# KiCad board motordecoder2-k3066v3-p.kicad_pcb (continued)
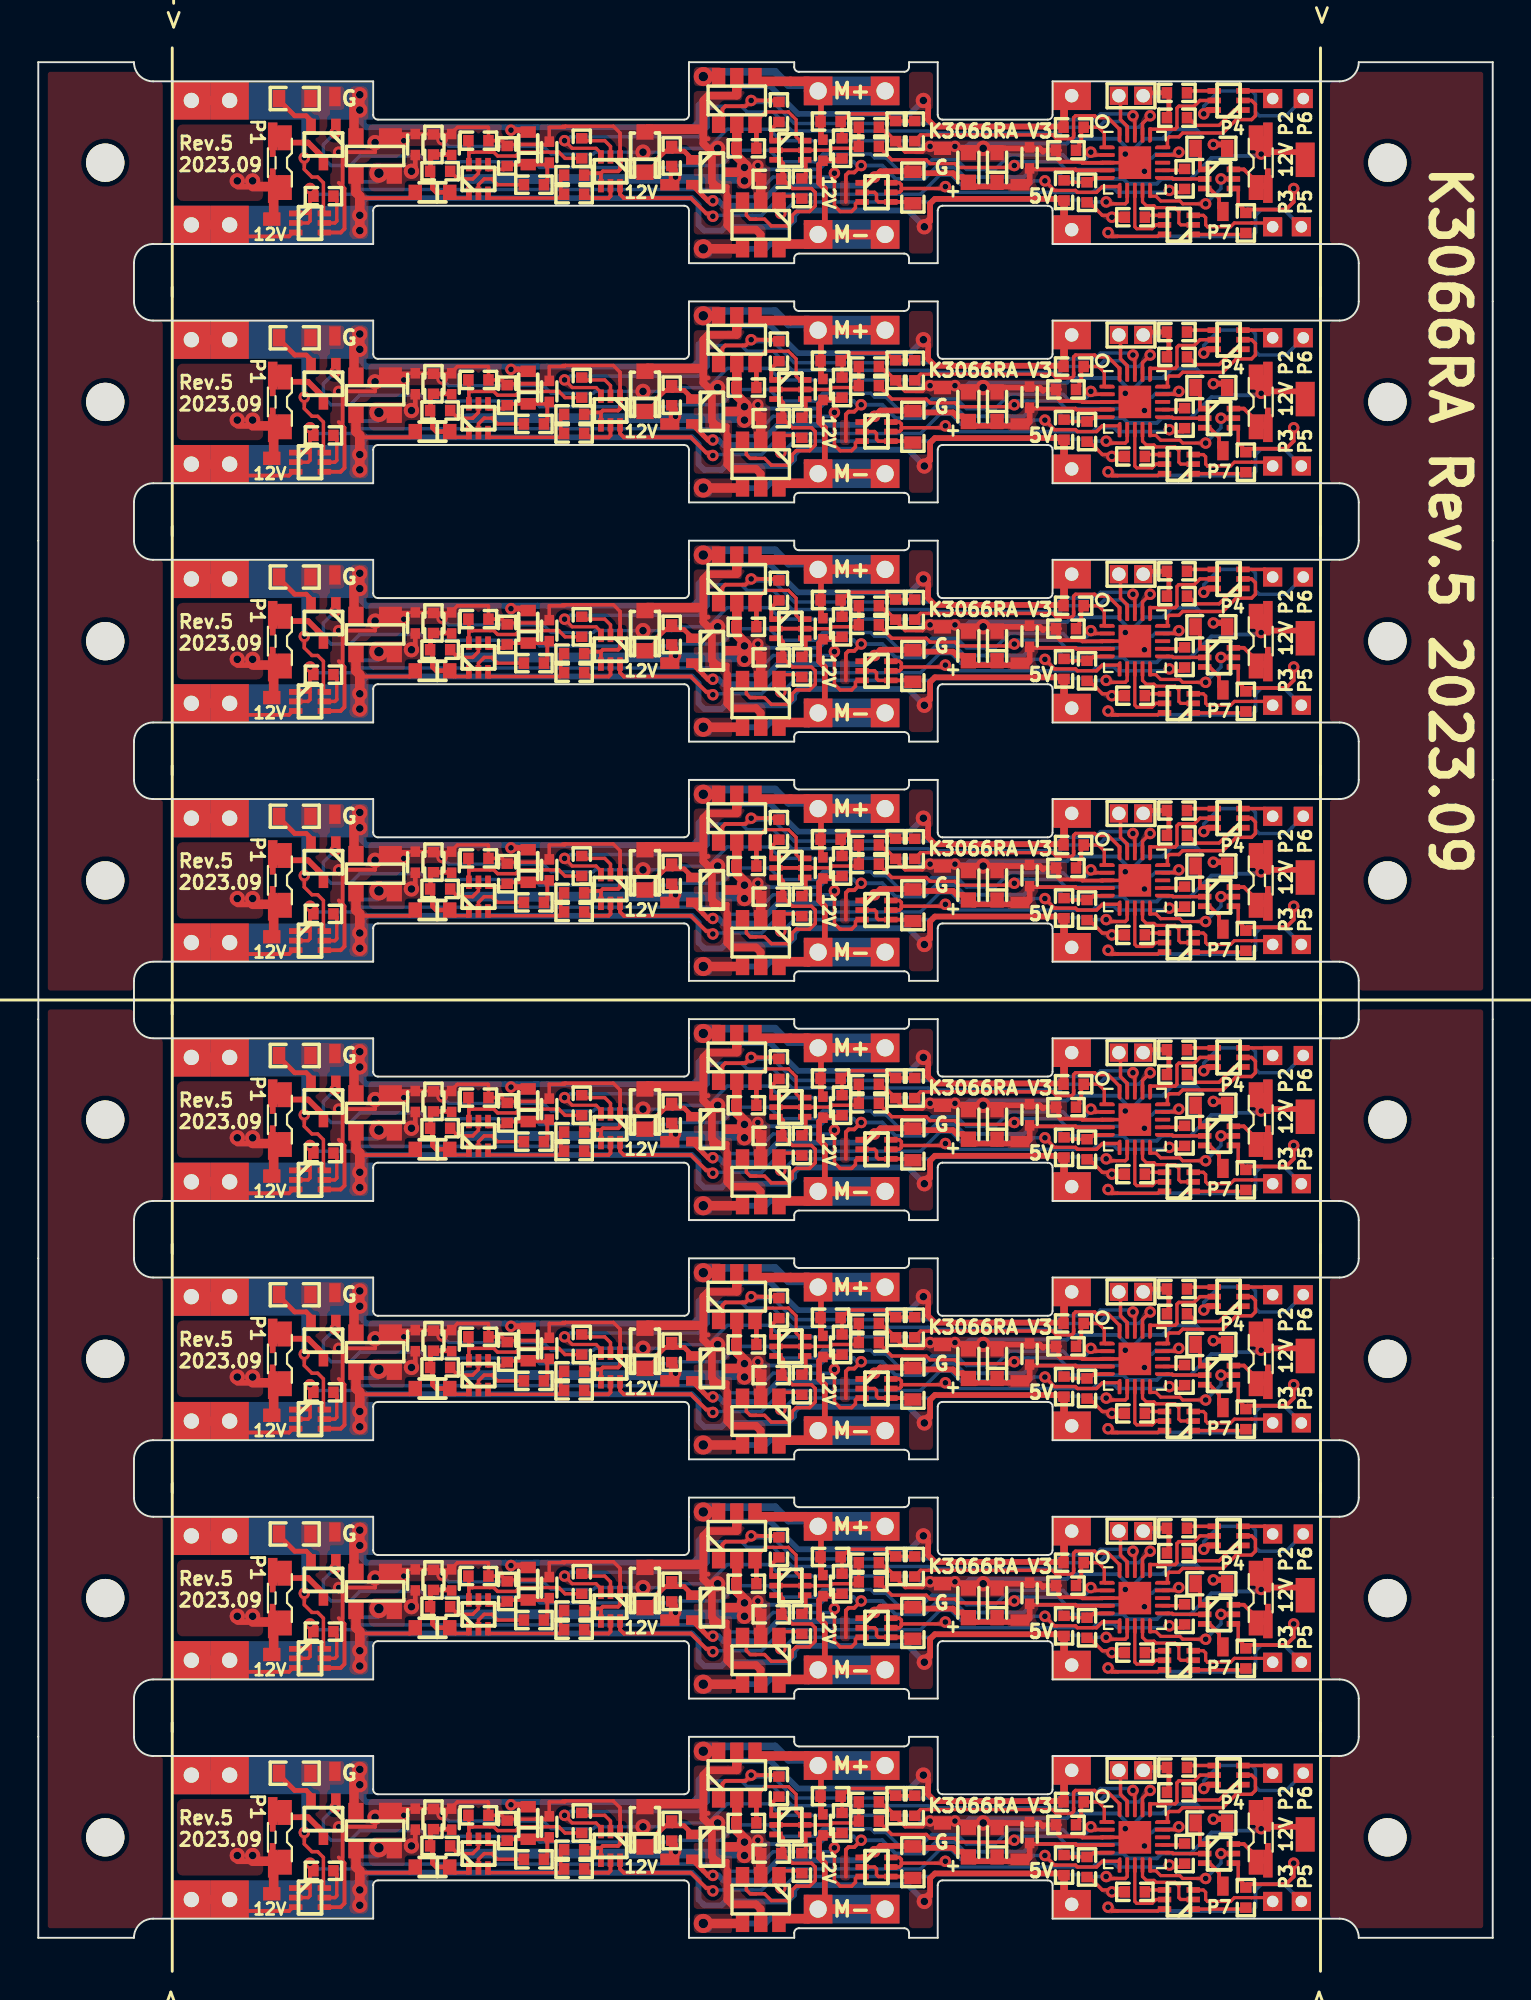
[diagram p0: board, top side]
## Routing (per net, layer and track width the routed paths; a pad name or vN(x,y) marks a point on that pad's centre or on a via; arc(x,y) is an arc through that point) (continued)
  Bottom w0.18: 47.8,53.7 47.9,53.7 ; 47.9,53.7 47.7,53.7 v3(47.4,54) ; 47.9,53.7 55.1,53.7 55.3,53.9 56.2,53.9 56.4,53.7 59,53.7 ; v3(47.4,16.5) 47.7,16.2 47.9,16.2 ; 59,53.9 58.8,53.7 ; 47.9,16.2 47.8,16.2 ; 47.9,16.2 55.1,16.2 55.3,16.4 56.2,16.4 56.4,16.2 59,16.2 ; 59,78.7 56.4,78.7 56.2,78.9 55.3,78.9 55.1,78.7 47.9,78.7 ; 47.9,66.2 47.7,66.2 v3(47.4,66.5) ; 47.9,66.2 55.1,66.2 55.3,66.4 56.2,66.4 56.4,66.2 59,66.2 ; 47.9,66.2 47.8,66.2 ; 59,41.4 58.8,41.2 ; 47.9,41.2 55.1,41.2 55.3,41.4 56.2,41.4 56.4,41.2 59,41.2 ; 47.9,41.2 47.7,41.2 v3(47.4,41.5) ; 47.9,41.2 47.8,41.2 ; 47.8,3.7 47.9,3.7 ; 47.9,3.7 47.7,3.7 v3(47.4,4) ; 47.9,3.7 55.1,3.7 55.3,3.9 56.2,3.9 56.4,3.7 59,3.7 ; 59,28.9 58.8,28.7 ; v3(47.4,91.5) 47.7,91.2 47.9,91.2 ; 47.9,28.7 47.7,28.7 v3(47.4,29) ; 47.9,28.7 55.1,28.7 55.3,28.9 56.2,28.9 56.4,28.7 59,28.7 ; 47.9,28.7 47.8,28.7 ; 47.9,78.7 47.7,78.7 v3(47.4,79) ; 47.9,78.7 47.8,78.7 ; 59,78.9 58.8,78.7 ; 59,66.4 58.8,66.2 ; 59,91.4 58.8,91.2 ; 59,3.9 58.8,3.7 ; 47.9,91.2 47.8,91.2 ; 47.9,91.2 55.1,91.2 55.3,91.4 56.2,91.4 56.4,91.2 59,91.2 ; 59,16.4 58.8,16.2
Net-(Q8-Pad5): length 16.5
  Top w0.18: 15.42,3.5 15.6,3.32 15.6,2.2 15.5,2.1 Q90.5 ; 15.42,78.5 15.6,78.33 15.6,77.2 15.5,77.1 Q16.5 ; 15.42,41 15.6,40.83 15.6,39.7 15.5,39.6 Q54.5 ; 15.42,28.5 15.6,28.33 15.6,27.2 15.5,27.1 Q66.5 ; Q42.5 15.5,52.1 15.6,52.2 15.6,53.33 15.42,53.5 ; Q78.5 15.5,14.6 15.6,14.7 15.6,15.83 15.42,16 ; Q30.5 15.5,64.6 15.6,64.7 15.6,65.83 15.42,66 ; Q8.5 15.5,89.6 15.6,89.7 15.6,90.83 15.42,91
Net-(Q11-Pad2): length 20
  Top w0.25: Q55.2 14.25,44.95 14,45.2 13.4,45.2 12.58,46.03 R147.1 ; R243.1 12.58,8.53 13.4,7.7 14,7.7 14.25,7.45 Q91.2 ; Q67.2 14.25,32.45 14,32.7 13.4,32.7 12.58,33.53 R179.1 ; Q79.2 14.25,19.95 14,20.2 13.4,20.2 12.58,21.03 R211.1 ; R21.1 12.58,96.03 13.4,95.2 14,95.2 14.25,94.95 Q11.2 ; R83.1 12.58,71.03 13.4,70.2 14,70.2 14.25,69.95 Q31.2 ; R115.1 12.58,58.53 13.4,57.7 14,57.7 14.25,57.45 Q43.2 ; R51.1 12.58,83.53 13.4,82.7 14,82.7 14.25,82.45 Q17.2
Net-(Q12-Pad1): length 11.5
  Top w0.2: R52.1 60.7,80.78 60.7,79.9 Q18.1 ; Q56.1 60.7,42.4 60.7,43.28 R148.1 ; R22.1 60.7,93.28 60.7,92.4 Q12.1 ; Q92.1 60.7,4.9 60.7,5.78 R244.1 ; Q44.1 60.7,54.9 60.7,55.78 R116.1 ; Q80.1 60.7,17.4 60.7,18.28 R212.1 ; Q68.1 60.7,29.9 60.7,30.78 R180.1 ; Q32.1 60.7,67.4 60.7,68.28 R84.1
Net-(Q13-Pad1): length 22.6
  Top w0.18: Q57.1 62.93,39 63.1,39.17 ; 63.1,26.67 62.93,26.5 Q69.1 ; 63.1,14.17 62.93,14 Q81.1 ; Q19.1 62.93,76.5 63.1,76.67 ; 63.1,89.17 62.93,89 Q13.1 ; 63.1,51.67 62.93,51.5 Q45.1 ; 63.1,64.17 62.93,64 Q33.1 ; 63.1,1.68 62.93,1.5 Q93.1
Net-(Q13-Pad4): length 8.5
  Top w0.18: 57.82,14.9 57.93,15 Q81.4 ; 57.82,39.9 57.93,40 Q57.4 ; 57.82,77.4 57.93,77.5 Q19.4 ; 57.82,2.4 57.93,2.5 Q93.4 ; 57.82,64.9 57.93,65 Q33.4 ; 57.82,27.4 57.93,27.5 Q69.4 ; 57.82,89.9 57.93,90 Q13.4 ; Q45.4 57.93,52.5 57.82,52.4
Net-(Q14-Pad1): length 27.4
  Top w0.18: R247.1 60.1,7.6 60.5,7.2 61.7,7.2 62.5,8 Q94.1 ; Q34.1 62.5,70.5 61.7,69.7 60.5,69.7 60.1,70.1 R87.1 ; Q58.1 62.5,45.5 61.7,44.7 60.5,44.7 60.1,45.1 R151.1 ; Q70.1 62.5,33 61.7,32.2 60.5,32.2 60.1,32.6 R183.1 ; R55.1 60.1,82.6 60.5,82.2 61.7,82.2 62.5,83 Q20.1 ; Q46.1 62.5,58 61.7,57.2 60.5,57.2 60.1,57.6 R119.1 ; Q82.1 62.5,20.5 61.7,19.7 60.5,19.7 60.1,20.1 R215.1 ; R25.1 60.1,95.1 60.5,94.7 61.7,94.7 62.5,95.5 Q14.1
Net-(Q14-Pad4): length 10.9
  Top w0.18: Q46.4 60.22,59 60.12,58.9 ; 60.12,46.4 60.22,46.5 Q58.4 ; 60.12,33.9 60.22,34 Q70.4 ; Q94.4 60.22,9 60.12,8.9 ; Q20.4 60.22,84 60.12,83.9 ; Q34.4 60.22,71.5 60.12,71.4 ; 60.12,96.4 60.22,96.5 Q14.4 ; Q82.4 60.22,21.5 60.12,21.4
Net-(Q21-Pad2): length 24.6
  Top w0.18: Q35.2 23,66.6 23.3,66.9 23.7,66.9 24,66.6 R89.1 ; R217.1 24,16.6 23.7,16.9 23.3,16.9 23,16.6 Q83.2 ; R153.1 24,41.6 23.7,41.9 23.3,41.9 23,41.6 Q59.2 ; Q47.2 23,54.1 23.3,54.4 23.7,54.4 24,54.1 R121.1 ; Q71.2 23,29.1 23.3,29.4 23.7,29.4 24,29.1 R185.1 ; Q21.2 23,91.6 23.3,91.9 23.7,91.9 24,91.6 R31.1 ; R249.1 24,4.1 23.7,4.4 23.3,4.4 23,4.1 Q95.2 ; Q23.2 23,79.1 23.3,79.4 23.7,79.4 24,79.1 R57.1
Net-(Q21-Pad3): length 43.6
  Top w0.18: R37.1 27.3,91.92 27.3,91.3 27.47,91.12 R38.2 27.28,90.9 23.5,90.9 Q21.3 ; Q95.3 23.5,3.4 27.28,3.4 R256.2 27.47,3.62 27.3,3.8 27.3,4.43 R255.1 ; Q47.3 23.5,53.4 27.28,53.4 R128.2 27.47,53.62 27.3,53.8 27.3,54.42 R127.1 ; R223.1 27.3,16.92 27.3,16.3 27.47,16.12 R224.2 27.28,15.9 23.5,15.9 Q83.3 ; R95.1 27.3,66.92 27.3,66.3 27.47,66.12 R96.2 27.28,65.9 23.5,65.9 Q35.3 ; Q71.3 23.5,28.4 27.28,28.4 R192.2 27.47,28.62 27.3,28.8 27.3,29.42 R191.1 ; R159.1 27.3,41.92 27.3,41.3 27.47,41.12 R160.2 27.28,40.9 23.5,40.9 Q59.3 ; Q23.3 23.5,78.4 27.28,78.4 R64.2 27.47,78.62 27.3,78.8 27.3,79.42 R63.1
Net-(Q21-Pad5): length 17.7
  Top w0.18: R157.1 21.82,42 22.1,42 22.2,41.9 22.7,41.9 23,42.2 Q59.5 ; Q83.5 23,17.2 22.7,16.9 22.2,16.9 22.1,17 21.82,17 R221.1 ; Q71.5 23,29.7 22.7,29.4 22.2,29.4 22.1,29.5 21.82,29.5 R189.1 ; Q35.5 23,67.2 22.7,66.9 22.2,66.9 22.1,67 21.82,67 R93.1 ; R35.1 21.82,92 22.1,92 22.2,91.9 22.7,91.9 23,92.2 Q21.5 ; Q95.5 23,4.7 22.7,4.4 22.2,4.4 22.1,4.5 21.82,4.5 R253.1 ; R61.1 21.82,79.5 22.1,79.5 22.2,79.4 22.7,79.4 23,79.7 Q23.5 ; Q47.5 23,54.7 22.7,54.4 22.2,54.4 22.1,54.5 21.82,54.5 R125.1
Net-(Q21-Pad6): length 60.5
  Top w0.18: 22.7,5.8 22.5,5.8 ; 22.7,5.8 22.6,5.8 ; 22.7,5.8 23.8,5.8 24,5.6 24.95,5.6 25.15,5.8 27.2,5.8 27.53,5.47 R252.2 ; 22.5,5.8 22.5,6.38 R251.1 ; 22.5,5.8 Q95.6 ; R188.2 27.53,30.47 27.2,30.8 25.15,30.8 24.95,30.6 24,30.6 23.8,30.8 22.7,30.8 ; Q35.6 22.5,68.3 ; 22.6,80.8 22.7,80.8 ; 22.7,80.8 23.8,80.8 24,80.6 24.95,80.6 25.15,80.8 27.2,80.8 27.53,80.47 R60.2 ; 22.7,80.8 22.5,80.8 ; 22.7,43.3 22.5,43.3 ; 22.7,43.3 23.8,43.3 24,43.1 24.95,43.1 25.15,43.3 27.2,43.3 27.53,42.97 R156.2 ; 22.7,43.3 22.6,43.3 ; 22.5,43.3 Q59.6 ; 22.5,43.3 22.5,43.88 R155.1 ; R220.2 27.53,17.97 27.2,18.3 25.15,18.3 24.95,18.1 24,18.1 23.8,18.3 22.7,18.3 ; 22.6,30.8 22.7,30.8 ; 22.7,30.8 22.5,30.8 ; 22.5,68.3 22.5,68.88 R91.1 ; 22.5,68.3 22.7,68.3 ; R92.2 27.53,67.97 27.2,68.3 25.15,68.3 24.95,68.1 24,68.1 23.8,68.3 22.7,68.3 ; 22.5,30.8 Q71.6 ; 22.5,30.8 22.5,31.38 R187.1 ; R59.1 22.5,81.38 22.5,80.8 ; 22.7,68.3 22.6,68.3 ; 22.6,55.8 22.7,55.8 ; 22.7,55.8 23.8,55.8 24,55.6 24.95,55.6 25.15,55.8 27.2,55.8 27.53,55.47 R124.2 ; 22.7,55.8 22.5,55.8 ; Q47.6 22.5,55.8 ; Q83.6 22.5,18.3 ; 22.5,18.3 22.5,18.88 R219.1 ; 22.5,18.3 22.7,18.3 ; 22.7,93.3 23.8,93.3 24,93.1 24.95,93.1 25.15,93.3 27.2,93.3 27.53,92.97 R34.2 ; 22.7,93.3 22.6,93.3 ; 22.7,93.3 22.5,93.3 ; 22.7,18.3 22.6,18.3 ; 22.5,93.3 Q21.6 ; 22.5,93.3 22.5,93.88 R33.1 ; 22.5,55.8 22.5,56.38 R123.1 ; Q23.6 22.5,80.8
Net-(Q22-Pad2): length 17.8
  Top w0.18: Q60.2 29.9,43.6 29.6,43.9 28.53,43.9 R156.1 ; R188.1 28.53,31.4 29.6,31.4 29.9,31.1 Q72.2 ; R124.1 28.53,56.4 29.6,56.4 29.9,56.1 Q48.2 ; R34.1 28.53,93.9 29.6,93.9 29.9,93.6 Q22.2 ; Q84.2 29.9,18.6 29.6,18.9 28.53,18.9 R220.1 ; Q36.2 29.9,68.6 29.6,68.9 28.53,68.9 R92.1 ; Q24.2 29.9,81.1 29.6,81.4 28.53,81.4 R60.1 ; R252.1 28.53,6.4 29.6,6.4 29.9,6.1 Q96.2
Net-(Q22-Pad5): length 15.6
  Top w0.2: Q22.5 29.9,91 29.8,90.9 28.82,90.9 28.62,91.1 ; 28.62,16.1 28.82,15.9 29.8,15.9 29.9,16 Q84.5 ; 28.62,78.6 28.82,78.4 29.8,78.4 29.9,78.5 Q24.5 ; 28.62,66.1 28.82,65.9 29.8,65.9 29.9,66 Q36.5 ; 28.62,28.6 28.82,28.4 29.8,28.4 29.9,28.5 Q72.5 ; 28.62,41.1 28.82,40.9 29.8,40.9 29.9,41 Q60.5 ; Q96.5 29.9,3.5 29.8,3.4 28.82,3.4 28.62,3.6 ; Q48.5 29.9,53.5 29.8,53.4 28.82,53.4 28.62,53.6
Net-(R1-Pad2): length 30.1
  Top w0.18: R129.2 55.4,44.6 55.7,44.3 55.7,43.6 55.75,43.55 56.05,43.55 ; 56.05,18.55 55.75,18.55 55.7,18.6 55.7,19.3 55.4,19.6 R193.2 ; 56.05,6.05 55.75,6.05 55.7,6.1 55.7,6.8 55.4,7.1 R225.2 ; 56.05,56.05 55.75,56.05 55.7,56.1 55.7,56.8 55.4,57.1 R97.2 ; 56.05,68.55 55.75,68.55 55.7,68.6 55.7,69.3 55.4,69.6 R65.2 ; 56.05,93.55 55.75,93.55 55.7,93.6 55.7,94.3 55.4,94.6 R1.2 ; 56.05,81.05 55.75,81.05 55.7,81.1 55.7,81.8 55.4,82.1 R19.2 ; R161.2 55.4,32.1 55.7,31.8 55.7,31.1 55.75,31.05 56.05,31.05
  Top w0.2: R193.2 54.5,19.47 54.5,18.9 54.4,18.8 54.4,18.58 R209.1 54.22,18.53 ; R65.2 54.5,69.47 54.5,68.9 54.4,68.8 54.4,68.58 R81.1 54.22,68.53 ; 54.22,43.53 R145.1 54.4,43.58 54.4,43.8 54.5,43.9 54.5,44.47 R129.2 ; R161.2 54.5,31.97 54.5,31.4 54.4,31.3 54.4,31.08 R177.1 54.22,31.03 ; R1.2 54.5,94.47 54.5,93.9 54.4,93.8 54.4,93.58 R17.1 54.22,93.53 ; R19.2 54.5,81.97 54.5,81.4 54.4,81.3 54.4,81.08 R49.1 54.22,81.03 ; 54.22,56.03 R113.1 54.4,56.08 54.4,56.3 54.5,56.4 54.5,56.97 R97.2 ; R225.2 54.5,6.97 54.5,6.4 54.4,6.3 54.4,6.07 R241.1 54.22,6.03
Net-(R10-Pad1): length 40.9
  Top w0.18: R10.1 42,94.9 ; 42,94.9 R9.1 ; 42,94.9 42.4,95.3 44.32,95.3 44.7,94.92 45.7,94.92 ; 42,69.9 42.4,70.3 44.32,70.3 44.7,69.92 45.7,69.92 ; 42,69.9 R73.1 ; 42,69.9 R74.1 ; R202.1 42,19.9 ; 42,19.9 42.4,20.3 44.32,20.3 44.7,19.92 45.7,19.92 ; 42,19.9 R201.1 ; R105.1 42,57.4 ; 42,57.4 R106.1 ; 42,57.4 42.4,57.8 44.32,57.8 44.7,57.42 45.7,57.42 ; 45.7,7.43 44.7,7.43 44.32,7.8 42.4,7.8 42,7.4 ; R137.1 42,44.9 ; 42,44.9 R138.1 ; 42,44.9 42.4,45.3 44.32,45.3 44.7,44.92 45.7,44.92 ; 45.7,32.42 44.7,32.42 44.32,32.8 42.4,32.8 42,32.4 ; 45.62,82.3 45.53,82.4 ; R169.1 42,32.4 ; 42,32.4 R170.1 ; 45.62,57.3 45.53,57.4 ; R42.1 42,82.4 ; 42,82.4 42.4,82.8 44.32,82.8 44.7,82.42 45.7,82.42 ; 42,82.4 R41.1 ; 45.62,32.3 45.53,32.4 ; 45.62,69.8 45.53,69.9 ; R233.1 42,7.4 ; 42,7.4 R234.1 ; 45.62,94.8 45.53,94.9 ; 45.62,19.8 45.53,19.9 ; 45.62,44.8 45.53,44.9 ; 45.62,7.3 45.53,7.4
Net-(R18-Pad1): length 21.7
  Top w0.18: R130.2 53.7,41.72 R146.1 54.93,41.72 55.15,41.95 56.05,41.95 ; 53.6,79.33 53.7,79.22 R50.1 54.93,79.22 55.15,79.45 56.05,79.45 ; 54.8,91.78 54.8,91.9 ; 56.05,29.45 55.15,29.45 54.93,29.22 R178.1 53.7,29.22 R162.2 ; 54.8,54.28 54.8,54.4 ; 56.05,54.45 55.15,54.45 54.93,54.22 R114.1 53.7,54.22 R98.2 ; R226.2 53.7,4.22 R242.1 54.93,4.22 55.15,4.45 56.05,4.45 ; 56.05,16.95 55.15,16.95 54.93,16.72 R210.1 53.7,16.72 R194.2 ; 54.8,4.28 54.8,4.4 ; 54.8,16.78 54.8,16.9 ; 54.8,29.28 54.8,29.4 ; 54.8,41.78 54.8,41.9 ; 54.8,79.28 54.8,79.4 ; 56.05,91.95 55.15,91.95 54.93,91.72 R18.1 53.7,91.72 53.6,91.83 ; R66.2 53.7,66.72 R82.1 54.93,66.72 55.15,66.95 56.05,66.95 ; 54.8,66.78 54.8,66.9

## Copper pours and planes (outline as drawn; the poured copper is in the pictures)
+5V on Top: 52.25,91.25 49.75,91.25 49.75,92.25 51.01,92.25 51.26,92.5 52.25,92.5
+5V on Top: 52.25,28.75 49.75,28.75 49.75,29.75 51.01,29.75 51.26,30 52.25,30
+5V on Top: 52.25,3.75 49.75,3.75 49.75,4.75 51.01,4.75 51.26,5 52.25,5
+5V on Top: 52.25,53.75 49.75,53.75 49.75,54.75 51.01,54.75 51.26,55 52.25,55
+5V on Top: 52.25,78.75 49.75,78.75 49.75,79.75 51.01,79.75 51.26,80 52.25,80
+5V on Top: 52.25,16.25 49.75,16.25 49.75,17.25 51.01,17.25 51.26,17.5 52.25,17.5
+5V on Top: 52.25,66.25 49.75,66.25 49.75,67.25 51.01,67.25 51.26,67.5 52.25,67.5
+5V on Top: 52.25,41.25 49.75,41.25 49.75,42.25 51.01,42.25 51.26,42.5 52.25,42.5
+12V on Top: 38.25,90.75 36.5,90.75 36.5,93 38.25,93
+12V on Top: 11.75,90.75 7.25,90.75 7.25,94.75 11.75,94.75
+12V on Top: 20.25,91.25 17.25,91.25 17.25,92.5 17.5,92.75 19.25,92.75 19.25,93.25 20.25,93.25
+12V on Top: 38.25,3.25 36.5,3.25 36.5,5.5 38.25,5.5
+12V on Top: 38.25,40.75 36.5,40.75 36.5,43 38.25,43
+12V on Top: 11.75,40.75 7.25,40.75 7.25,44.75 11.75,44.75
+12V on Top: 20.25,78.75 17.25,78.75 17.25,80 17.5,80.25 19.25,80.25 19.25,80.75 20.25,80.75
+12V on Top: 11.75,78.25 7.25,78.25 7.25,82.25 11.75,82.25
+12V on Top: 11.75,3.25 7.25,3.25 7.25,7.25 11.75,7.25
+12V on Top: 38.25,53.25 36.5,53.25 36.5,55.5 38.25,55.5
+12V on Top: 11.75,65.75 7.25,65.75 7.25,69.75 11.75,69.75
+12V on Top: 11.75,28.25 7.25,28.25 7.25,32.25 11.75,32.25
+12V on Top: 20.25,28.75 17.25,28.75 17.25,30 17.5,30.25 19.25,30.25 19.25,30.75 20.25,30.75
+12V on Top: 11.75,15.75 7.25,15.75 7.25,19.75 11.75,19.75
+12V on Top: 11.75,53.25 7.25,53.25 7.25,57.25 11.75,57.25
+12V on Top: 20.25,41.25 17.25,41.25 17.25,42.5 17.5,42.75 19.25,42.75 19.25,43.25 20.25,43.25
+12V on Top: 20.25,53.75 17.25,53.75 17.25,55 17.5,55.25 19.25,55.25 19.25,55.75 20.25,55.75
+12V on Top: 20.25,16.25 17.25,16.25 17.25,17.5 17.5,17.75 19.25,17.75 19.25,18.25 20.25,18.25
+12V on Top: 20.25,3.75 17.25,3.75 17.25,5 17.5,5.25 19.25,5.25 19.25,5.75 20.25,5.75
+12V on Top: 38.25,78.25 36.5,78.25 36.5,80.5 38.25,80.5
+12V on Top: 38.25,65.75 36.5,65.75 36.5,68 38.25,68
+12V on Top: 38.25,15.75 36.5,15.75 36.5,18 38.25,18
+12V on Top: 20.25,66.25 17.25,66.25 17.25,67.5 17.5,67.75 19.25,67.75 19.25,68.25 20.25,68.25
+12V on Top: 38.25,28.25 36.5,28.25 36.5,30.5 38.25,30.5
+12V on Bottom: 33,92.5 36,92.5 36.75,93.25 38,93.25 38.5,92.75 38.75,92.75 38.75,92.25 38.5,92.25 37.25,91 36.25,91 35.75,91.5 20.75,91.5 20.75,91 13.75,90.93 7.25,91 7.25,94.5 14,94.5 14,93 14.9,93 15.3,92.6 16.5,92.6 16.9,93 19.75,93 20.25,92.5 25.75,92.5 26,92.25 32.75,92.25
+12V on Bottom: 33,80 36,80 36.75,80.75 38,80.75 38.5,80.25 38.75,80.25 38.75,79.75 38.5,79.75 37.25,78.5 36.25,78.5 35.75,79 20.75,79 20.75,78.5 13.75,78.43 7.25,78.5 7.25,82 14,82 14,80.5 14.9,80.5 15.3,80.1 16.5,80.1 16.9,80.5 19.75,80.5 20.25,80 25.75,80 26,79.75 32.75,79.75
+12V on Bottom: 33,67.5 36,67.5 36.75,68.25 38,68.25 38.5,67.75 38.75,67.75 38.75,67.25 38.5,67.25 37.25,66 36.25,66 35.75,66.5 20.75,66.5 20.75,66 13.75,65.93 7.25,66 7.25,69.5 14,69.5 14,68 14.9,68 15.3,67.6 16.5,67.6 16.9,68 19.75,68 20.25,67.5 25.75,67.5 26,67.25 32.75,67.25
+12V on Bottom: 33,17.5 36,17.5 36.75,18.25 38,18.25 38.5,17.75 38.75,17.75 38.75,17.25 38.5,17.25 37.25,16 36.25,16 35.75,16.5 20.75,16.5 20.75,16 13.75,15.93 7.25,16 7.25,19.5 14,19.5 14,18 14.9,18 15.3,17.6 16.5,17.6 16.9,18 19.75,18 20.25,17.5 25.75,17.5 26,17.25 32.75,17.25
+12V on Bottom: 33,5 36,5 36.75,5.75 38,5.75 38.5,5.25 38.75,5.25 38.75,4.75 38.5,4.75 37.25,3.5 36.25,3.5 35.75,4 20.75,4 20.75,3.5 13.75,3.43 7.25,3.5 7.25,7 14,7 14,5.5 14.9,5.5 15.3,5.1 16.5,5.1 16.9,5.5 19.75,5.5 20.25,5 25.75,5 26,4.75 32.75,4.75
+12V on Bottom: 33,30 36,30 36.75,30.75 38,30.75 38.5,30.25 38.75,30.25 38.75,29.75 38.5,29.75 37.25,28.5 36.25,28.5 35.75,29 20.75,29 20.75,28.5 13.75,28.43 7.25,28.5 7.25,32 14,32 14,30.5 14.9,30.5 15.3,30.1 16.5,30.1 16.9,30.5 19.75,30.5 20.25,30 25.75,30 26,29.75 32.75,29.75
+12V on Bottom: 33,55 36,55 36.75,55.75 38,55.75 38.5,55.25 38.75,55.25 38.75,54.75 38.5,54.75 37.25,53.5 36.25,53.5 35.75,54 20.75,54 20.75,53.5 13.75,53.43 7.25,53.5 7.25,57 14,57 14,55.5 14.9,55.5 15.3,55.1 16.5,55.1 16.9,55.5 19.75,55.5 20.25,55 25.75,55 26,54.75 32.75,54.75
+12V on Bottom: 33,42.5 36,42.5 36.75,43.25 38,43.25 38.5,42.75 38.75,42.75 38.75,42.25 38.5,42.25 37.25,41 36.25,41 35.75,41.5 20.75,41.5 20.75,41 13.75,40.93 7.25,41 7.25,44.5 14,44.5 14,43 14.9,43 15.3,42.6 16.5,42.6 16.9,43 19.75,43 20.25,42.5 25.75,42.5 26,42.25 32.75,42.25
GND on Top: 34.25,94.75 34.25,96.5 36,96.5 36.24,96.75 37.5,96.75 37.5,94.25 36.25,94.25 36.25,90.25 38,90.25 38,88.5 37.5,88.5 37.5,89 34.25,89 34.25,92.75 30.75,92.75 30.75,93.25 25.75,93.25 25.75,90.5 22,90.5 22,93.5 19.25,93.5 18.75,93 17.4,93 17.15,92.75 16,92.75 16,91.5 15.25,91.5 15.25,92.75 14.25,93.75 13.75,93.75 13.75,96.75 16,96.75 16,95.5 15.25,95.5 15.25,94.25 16,93.5 16.75,93.5 17.25,94 17.25,94.75
GND on Top: 56.75,92.5 52.5,92.5 52.25,92.75 51,92.75 50.75,92.5 45.75,92.5 45.75,94.25 56.75,94.25
GND on Top: 34.25,69.75 34.25,71.5 36,71.5 36.24,71.75 37.5,71.75 37.5,69.25 36.25,69.25 36.25,65.25 38,65.25 38,63.5 37.5,63.5 37.5,64 34.25,64 34.25,67.75 30.75,67.75 30.75,68.25 25.75,68.25 25.75,65.5 22,65.5 22,68.5 19.25,68.5 18.75,68 17.4,68 17.15,67.75 16,67.75 16,66.5 15.25,66.5 15.25,67.75 14.25,68.75 13.75,68.75 13.75,71.75 16,71.75 16,70.5 15.25,70.5 15.25,69.25 16,68.5 16.75,68.5 17.25,69 17.25,69.75
GND on Top: 34.25,82.25 34.25,84 36,84 36.24,84.25 37.5,84.25 37.5,81.75 36.25,81.75 36.25,77.75 38,77.75 38,76 37.5,76 37.5,76.5 34.25,76.5 34.25,80.25 30.75,80.25 30.75,80.75 25.75,80.75 25.75,78 22,78 22,81 19.25,81 18.75,80.5 17.4,80.5 17.15,80.25 16,80.25 16,79 15.25,79 15.25,80.25 14.25,81.25 13.75,81.25 13.75,84.25 16,84.25 16,83 15.25,83 15.25,81.75 16,81 16.75,81 17.25,81.5 17.25,82.25
GND on Top: 56.75,55 52.5,55 52.25,55.25 51,55.25 50.75,55 45.75,55 45.75,56.75 56.75,56.75
GND on Top: 34.25,44.75 34.25,46.5 36,46.5 36.24,46.75 37.5,46.75 37.5,44.25 36.25,44.25 36.25,40.25 38,40.25 38,38.5 37.5,38.5 37.5,39 34.25,39 34.25,42.75 30.75,42.75 30.75,43.25 25.75,43.25 25.75,40.5 22,40.5 22,43.5 19.25,43.5 18.75,43 17.4,43 17.15,42.75 16,42.75 16,41.5 15.25,41.5 15.25,42.75 14.25,43.75 13.75,43.75 13.75,46.75 16,46.75 16,45.5 15.25,45.5 15.25,44.25 16,43.5 16.75,43.5 17.25,44 17.25,44.75
GND on Top: 56.75,30 52.5,30 52.25,30.25 51,30.25 50.75,30 45.75,30 45.75,31.75 56.75,31.75
GND on Top: 56.75,17.5 52.5,17.5 52.25,17.75 51,17.75 50.75,17.5 45.75,17.5 45.75,19.25 56.75,19.25
GND on Top: 34.25,57.25 34.25,59 36,59 36.24,59.25 37.5,59.25 37.5,56.75 36.25,56.75 36.25,52.75 38,52.75 38,51 37.5,51 37.5,51.5 34.25,51.5 34.25,55.25 30.75,55.25 30.75,55.75 25.75,55.75 25.75,53 22,53 22,56 19.25,56 18.75,55.5 17.4,55.5 17.15,55.25 16,55.25 16,54 15.25,54 15.25,55.25 14.25,56.25 13.75,56.25 13.75,59.25 16,59.25 16,58 15.25,58 15.25,56.75 16,56 16.75,56 17.25,56.5 17.25,57.25
GND on Top: 56.75,80 52.5,80 52.25,80.25 51,80.25 50.75,80 45.75,80 45.75,81.75 56.75,81.75
GND on Top: 56.75,5 52.5,5 52.25,5.25 51,5.25 50.75,5 45.75,5 45.75,6.75 56.75,6.75
GND on Top: 34.25,19.75 34.25,21.5 36,21.5 36.24,21.75 37.5,21.75 37.5,19.25 36.25,19.25 36.25,15.25 38,15.25 38,13.5 37.5,13.5 37.5,14 34.25,14 34.25,17.75 30.75,17.75 30.75,18.25 25.75,18.25 25.75,15.5 22,15.5 22,18.5 19.25,18.5 18.75,18 17.4,18 17.15,17.75 16,17.75 16,16.5 15.25,16.5 15.25,17.75 14.25,18.75 13.75,18.75 13.75,21.75 16,21.75 16,20.5 15.25,20.5 15.25,19.25 16,18.5 16.75,18.5 17.25,19 17.25,19.75
GND on Top: 56.75,42.5 52.5,42.5 52.25,42.75 51,42.75 50.75,42.5 45.75,42.5 45.75,44.25 56.75,44.25
GND on Top: 34.25,7.25 34.25,9 36,9 36.24,9.25 37.5,9.25 37.5,6.75 36.25,6.75 36.25,2.75 38,2.75 38,1 37.5,1 37.5,1.5 34.25,1.5 34.25,5.25 30.75,5.25 30.75,5.75 25.75,5.75 25.75,3 22,3 22,6 19.25,6 18.75,5.5 17.4,5.5 17.15,5.25 16,5.25 16,4 15.25,4 15.25,5.25 14.25,6.25 13.75,6.25 13.75,9.25 16,9.25 16,8 15.25,8 15.25,6.75 16,6 16.75,6 17.25,6.5 17.25,7.25
GND on Top: 34.25,32.25 34.25,34 36,34 36.24,34.25 37.5,34.25 37.5,31.75 36.25,31.75 36.25,27.75 38,27.75 38,26 37.5,26 37.5,26.5 34.25,26.5 34.25,30.25 30.75,30.25 30.75,30.75 25.75,30.75 25.75,28 22,28 22,31 19.25,31 18.75,30.5 17.4,30.5 17.15,30.25 16,30.25 16,29 15.25,29 15.25,30.25 14.25,31.25 13.75,31.25 13.75,34.25 16,34.25 16,33 15.25,33 15.25,31.75 16,31 16.75,31 17.25,31.5 17.25,32.25
GND on Top: 56.75,67.5 52.5,67.5 52.25,67.75 51,67.75 50.75,67.5 45.75,67.5 45.75,69.25 56.75,69.25
GND on Bottom: 34.75,94.5 34.75,96.5 38.5,96.5 39.75,95.25 47,95.25 47,94.75 53.25,94.75 53.25,95.25 55.25,95.25 55.25,96.75 66.75,96.75 66.75,88.75 55.25,88.75 55.25,90.5 53.25,90.5 53.25,92.5 45,92.5 44.5,93 38.75,93 38.25,93.5 36.25,93.5 35.5,92.75 32.75,92.75 32.5,92.5 26.5,92.5 26,93 20.5,93 20.25,93.25 16.8,93.25 16.35,92.8 15.4,92.8 15.1,93.1 15.1,93.6 15.6,94.1 15.6,94.75 17.25,94.75 17.25,94.5
GND on Bottom: 34.75,32 34.75,34 38.5,34 39.75,32.75 47,32.75 47,32.25 53.25,32.25 53.25,32.75 55.25,32.75 55.25,34.25 66.75,34.25 66.75,26.25 55.25,26.25 55.25,28 53.25,28 53.25,30 45,30 44.5,30.5 38.75,30.5 38.25,31 36.25,31 35.5,30.25 32.75,30.25 32.5,30 26.5,30 26,30.5 20.5,30.5 20.25,30.75 16.8,30.75 16.35,30.3 15.4,30.3 15.1,30.6 15.1,31.1 15.6,31.6 15.6,32.25 17.25,32.25 17.25,32
GND on Bottom: 34.75,57 34.75,59 38.5,59 39.75,57.75 47,57.75 47,57.25 53.25,57.25 53.25,57.75 55.25,57.75 55.25,59.25 66.75,59.25 66.75,51.25 55.25,51.25 55.25,53 53.25,53 53.25,55 45,55 44.5,55.5 38.75,55.5 38.25,56 36.25,56 35.5,55.25 32.75,55.25 32.5,55 26.5,55 26,55.5 20.5,55.5 20.25,55.75 16.8,55.75 16.35,55.3 15.4,55.3 15.1,55.6 15.1,56.1 15.6,56.6 15.6,57.25 17.25,57.25 17.25,57
GND on Bottom: 34.75,7 34.75,9 38.5,9 39.75,7.75 47,7.75 47,7.25 53.25,7.25 53.25,7.75 55.25,7.75 55.25,9.25 66.75,9.25 66.75,1.25 55.25,1.25 55.25,3 53.25,3 53.25,5 45,5 44.5,5.5 38.75,5.5 38.25,6 36.25,6 35.5,5.25 32.75,5.25 32.5,5 26.5,5 26,5.5 20.5,5.5 20.25,5.75 16.8,5.75 16.35,5.3 15.4,5.3 15.1,5.6 15.1,6.1 15.6,6.6 15.6,7.25 17.25,7.25 17.25,7
GND on Bottom: 34.75,44.5 34.75,46.5 38.5,46.5 39.75,45.25 47,45.25 47,44.75 53.25,44.75 53.25,45.25 55.25,45.25 55.25,46.75 66.75,46.75 66.75,38.75 55.25,38.75 55.25,40.5 53.25,40.5 53.25,42.5 45,42.5 44.5,43 38.75,43 38.25,43.5 36.25,43.5 35.5,42.75 32.75,42.75 32.5,42.5 26.5,42.5 26,43 20.5,43 20.25,43.25 16.8,43.25 16.35,42.8 15.4,42.8 15.1,43.1 15.1,43.6 15.6,44.1 15.6,44.75 17.25,44.75 17.25,44.5
GND on Bottom: 34.75,19.5 34.75,21.5 38.5,21.5 39.75,20.25 47,20.25 47,19.75 53.25,19.75 53.25,20.25 55.25,20.25 55.25,21.75 66.75,21.75 66.75,13.75 55.25,13.75 55.25,15.5 53.25,15.5 53.25,17.5 45,17.5 44.5,18 38.75,18 38.25,18.5 36.25,18.5 35.5,17.75 32.75,17.75 32.5,17.5 26.5,17.5 26,18 20.5,18 20.25,18.25 16.8,18.25 16.35,17.8 15.4,17.8 15.1,18.1 15.1,18.6 15.6,19.1 15.6,19.75 17.25,19.75 17.25,19.5
GND on Bottom: 34.75,69.5 34.75,71.5 38.5,71.5 39.75,70.25 47,70.25 47,69.75 53.25,69.75 53.25,70.25 55.25,70.25 55.25,71.75 66.75,71.75 66.75,63.75 55.25,63.75 55.25,65.5 53.25,65.5 53.25,67.5 45,67.5 44.5,68 38.75,68 38.25,68.5 36.25,68.5 35.5,67.75 32.75,67.75 32.5,67.5 26.5,67.5 26,68 20.5,68 20.25,68.25 16.8,68.25 16.35,67.8 15.4,67.8 15.1,68.1 15.1,68.6 15.6,69.1 15.6,69.75 17.25,69.75 17.25,69.5
GND on Bottom: 34.75,82 34.75,84 38.5,84 39.75,82.75 47,82.75 47,82.25 53.25,82.25 53.25,82.75 55.25,82.75 55.25,84.25 66.75,84.25 66.75,76.25 55.25,76.25 55.25,78 53.25,78 53.25,80 45,80 44.5,80.5 38.75,80.5 38.25,81 36.25,81 35.5,80.25 32.75,80.25 32.5,80 26.5,80 26,80.5 20.5,80.5 20.25,80.75 16.8,80.75 16.35,80.3 15.4,80.3 15.1,80.6 15.1,81.1 15.6,81.6 15.6,82.25 17.25,82.25 17.25,82
(no net) on Top, Bottom: 0.5,48.5 0.5,0.5 6.5,0.5 6.5,48.5
(no net) on Top, Bottom: 0.5,97.5 0.5,49.5 6.5,49.5 6.5,97.5
(no net) on Top, Bottom: 67.5,97.5 67.5,49.5 75.5,49.5 75.5,97.5
(no net) on Top, Bottom: 67.5,48.5 67.5,0.5 75.5,0.5 75.5,48.5
MOTOR+ on Top: 35.75,96.75 34.25,96.75 34.25,97.75 35.75,97.75
MOTOR+ on Top: 35.75,21.75 34.25,21.75 34.25,22.75 35.75,22.75
MOTOR+ on Top: 35.75,46.75 34.25,46.75 34.25,47.75 35.75,47.75
MOTOR+ on Top: 35.75,9.25 34.25,9.25 34.25,10.25 35.75,10.25
MOTOR+ on Top: 35.75,71.75 34.25,71.75 34.25,72.75 35.75,72.75
MOTOR+ on Top: 35.75,34.25 34.25,34.25 34.25,35.25 35.75,35.25
MOTOR+ on Top: 35.75,84.25 34.25,84.25 34.25,85.25 35.75,85.25
MOTOR+ on Top: 35.75,59.25 34.25,59.25 34.25,60.25 35.75,60.25
MOTOR+ on Bottom: 38.75,96.75 34.25,96.75 34.25,97.75 39.25,97.75 39.25,97.5 39.5,97.25 40.25,97.25 40.25,96.25 39.25,96.25
MOTOR+ on Bottom: 38.75,21.75 34.25,21.75 34.25,22.75 39.25,22.75 39.25,22.5 39.5,22.25 40.25,22.25 40.25,21.25 39.25,21.25
MOTOR+ on Bottom: 38.75,46.75 34.25,46.75 34.25,47.75 39.25,47.75 39.25,47.5 39.5,47.25 40.25,47.25 40.25,46.25 39.25,46.25
MOTOR+ on Bottom: 38.75,71.75 34.25,71.75 34.25,72.75 39.25,72.75 39.25,72.5 39.5,72.25 40.25,72.25 40.25,71.25 39.25,71.25
MOTOR+ on Bottom: 38.75,84.25 34.25,84.25 34.25,85.25 39.25,85.25 39.25,85 39.5,84.75 40.25,84.75 40.25,83.75 39.25,83.75
MOTOR+ on Bottom: 38.75,59.25 34.25,59.25 34.25,60.25 39.25,60.25 39.25,60 39.5,59.75 40.25,59.75 40.25,58.75 39.25,58.75
MOTOR+ on Bottom: 38.75,9.25 34.25,9.25 34.25,10.25 39.25,10.25 39.25,10 39.5,9.75 40.25,9.75 40.25,8.75 39.25,8.75
MOTOR+ on Bottom: 38.75,34.25 34.25,34.25 34.25,35.25 39.25,35.25 39.25,35 39.5,34.75 40.25,34.75 40.25,33.75 39.25,33.75
MOTOR- on Top: 36.75,87.75 34.25,87.75 34.25,88.75 36.75,88.75
MOTOR- on Top: 36.75,37.75 34.25,37.75 34.25,38.75 36.75,38.75
MOTOR- on Top: 36.75,50.25 34.25,50.25 34.25,51.25 36.75,51.25
MOTOR- on Top: 36.75,0.25 34.25,0.25 34.25,1.25 36.75,1.25
MOTOR- on Top: 36.75,75.25 34.25,75.25 34.25,76.25 36.75,76.25
MOTOR- on Top: 36.75,62.75 34.25,62.75 34.25,63.75 36.75,63.75
MOTOR- on Top: 36.75,12.75 34.25,12.75 34.25,13.75 36.75,13.75
MOTOR- on Top: 36.75,25.25 34.25,25.25 34.25,26.25 36.75,26.25
MOTOR- on Bottom: 41.74,89.2 41.63,89.21 41.54,89.23 41.48,89.27 41.42,89.32 41.37,89.38 41.28,89.5 41.23,89.57 41.16,89.62 41.08,89.67 40.38,89 41.08,88.33 41.16,88.38 41.23,88.43 41.28,88.5 41.37,88.62 41.42,88.68 41.48,88.73 41.54,88.77 41.63,88.79 41.74,88.8
MOTOR- on Bottom: 42.24,89.2 42.07,89.21 41.92,89.23 41.8,89.26 41.7,89.3 41.61,89.35 41.52,89.41 41.42,89.47 41.33,89.53 41.21,89.6 41.08,89.67 40.38,89 41.08,88.33 41.21,88.4 41.33,88.47 41.42,88.53 41.52,88.59 41.61,88.65 41.7,88.7 41.8,88.74 41.92,88.77 42.07,88.79 42.24,88.8
MOTOR- on Bottom: 42.76,88.8 42.93,88.79 43.08,88.77 43.2,88.74 43.3,88.7 43.39,88.65 43.48,88.59 43.58,88.53 43.67,88.47 43.79,88.4 43.92,88.33 44.62,89 43.92,89.67 43.79,89.6 43.67,89.53 43.58,89.47 43.48,89.41 43.39,89.35 43.3,89.3 43.2,89.26 43.08,89.23 42.93,89.21 42.76,89.2
MOTOR- on Bottom: 40.25,88.25 39.5,88.25 39.25,88 39.25,87.75 34.25,87.75 34.25,88.75 35.75,88.75 36,89 39.25,89 40,89.75 40.25,89.75
MOTOR- on Bottom: 41.74,14.2 41.63,14.21 41.54,14.23 41.48,14.27 41.42,14.32 41.37,14.38 41.28,14.5 41.23,14.57 41.16,14.62 41.08,14.67 40.38,14 41.08,13.32 41.16,13.38 41.23,13.43 41.28,13.5 41.37,13.62 41.42,13.68 41.48,13.73 41.54,13.77 41.63,13.79 41.74,13.8
MOTOR- on Bottom: 40.25,13.25 39.5,13.25 39.25,13 39.25,12.75 34.25,12.75 34.25,13.75 35.75,13.75 36,14 39.25,14 40,14.75 40.25,14.75
MOTOR- on Bottom: 41.74,1.7 41.63,1.71 41.54,1.73 41.48,1.77 41.42,1.82 41.37,1.88 41.28,2 41.23,2.07 41.16,2.12 41.08,2.18 40.38,1.5 41.08,0.82 41.16,0.88 41.23,0.93 41.28,1 41.37,1.12 41.42,1.18 41.48,1.23 41.54,1.27 41.63,1.29 41.74,1.3
MOTOR- on Bottom: 42.24,64.2 42.07,64.21 41.92,64.23 41.8,64.26 41.7,64.3 41.61,64.35 41.52,64.41 41.42,64.47 41.33,64.53 41.21,64.6 41.08,64.67 40.38,64 41.08,63.33 41.21,63.4 41.33,63.47 41.42,63.53 41.52,63.59 41.61,63.65 41.7,63.7 41.8,63.74 41.92,63.77 42.07,63.79 42.24,63.8
MOTOR- on Bottom: 42.76,51.3 42.93,51.29 43.08,51.27 43.2,51.24 43.3,51.2 43.39,51.15 43.48,51.09 43.58,51.03 43.67,50.97 43.79,50.9 43.92,50.83 44.62,51.5 43.92,52.17 43.79,52.1 43.67,52.03 43.58,51.97 43.48,51.91 43.39,51.85 43.3,51.8 43.2,51.76 43.08,51.73 42.93,51.71 42.76,51.7
MOTOR- on Bottom: 42.76,38.8 42.93,38.79 43.08,38.77 43.2,38.74 43.3,38.7 43.39,38.65 43.48,38.59 43.58,38.53 43.67,38.47 43.79,38.4 43.92,38.33 44.62,39 43.92,39.67 43.79,39.6 43.67,39.53 43.58,39.47 43.48,39.41 43.39,39.35 43.3,39.3 43.2,39.26 43.08,39.23 42.93,39.21 42.76,39.2
